# KiCad board retroslop.kicad_pcb (continued)
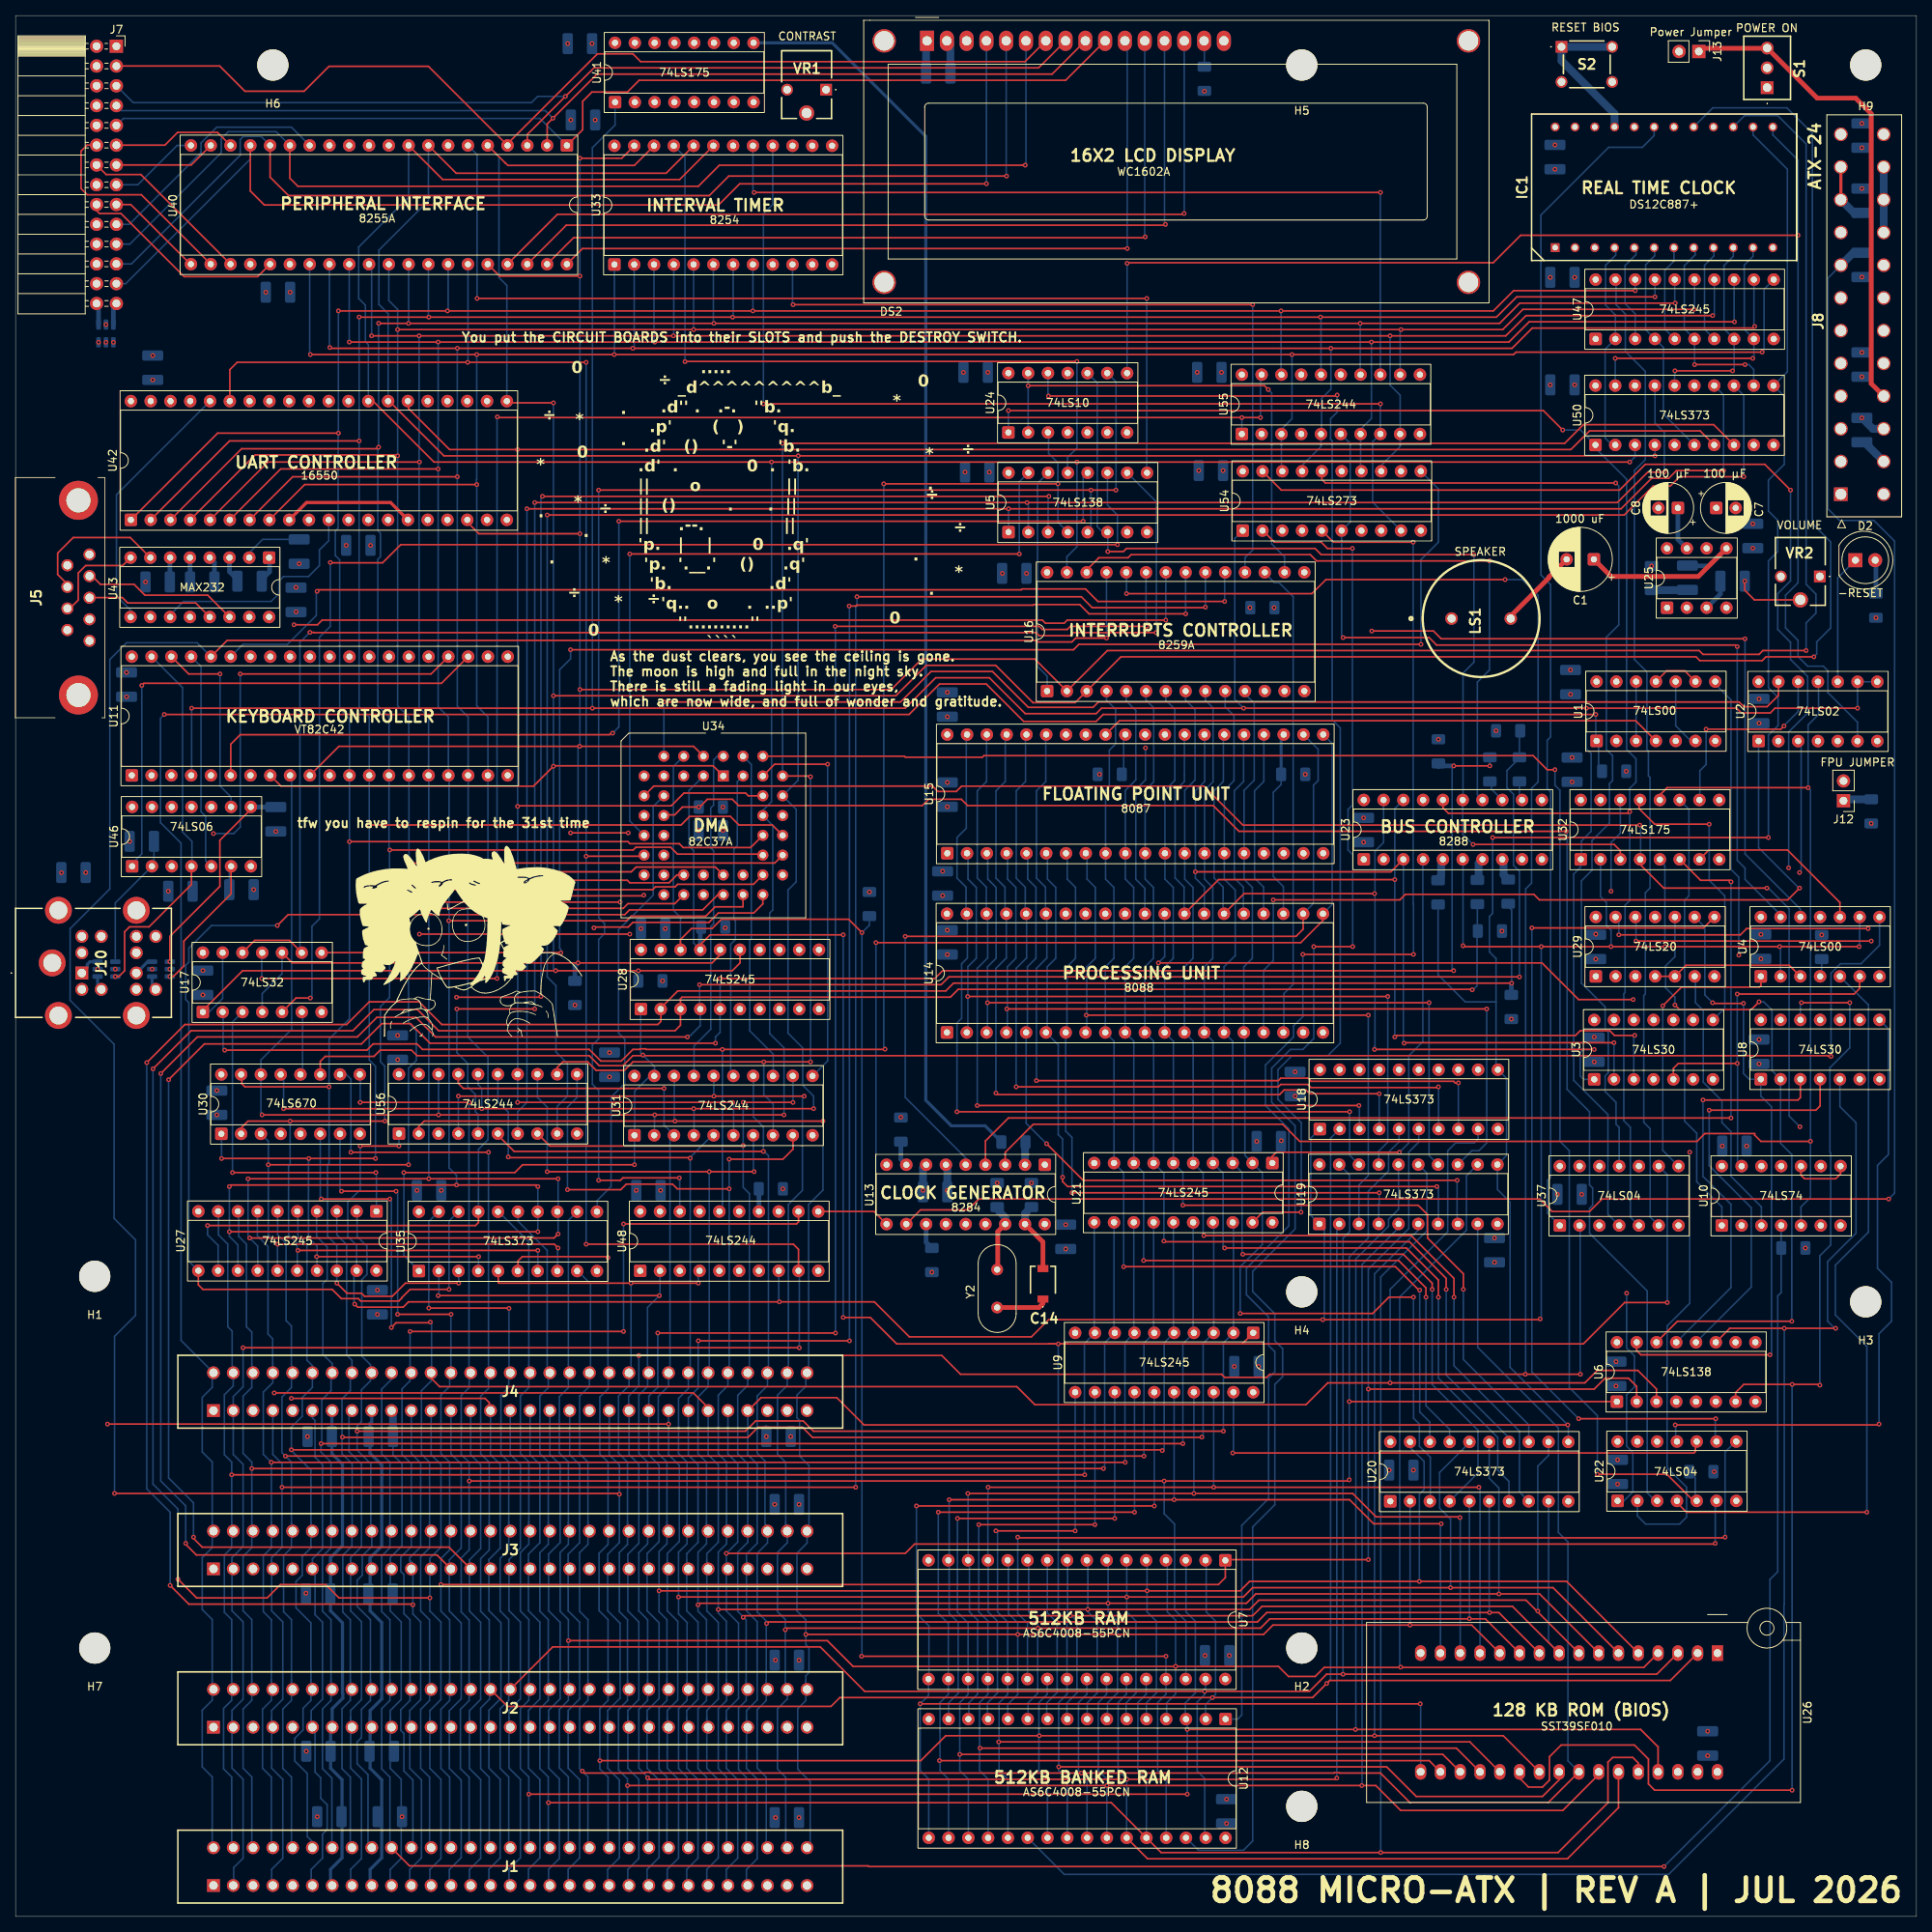
[diagram p0: board, top side]
## Routing (per net, layer and track width the routed paths; a pad name or vN(x,y) marks a point on that pad's centre or on a via; arc(x,y) is an arc through that point) (continued)
  Top w0.2: v1(141.44,176.09) 49.44,176.09 47.11,173.76 40.44,173.76 v1(40.4,173.8) ; v1(37.84,117.89) 36,117.89 U17.5
  Bottom w0.2: v1(141.44,176.09) 141.44,179.89 140.16,181.17 U5.11 ; v1(37.84,117.89) 38.04,118.09 38.04,127.09 39,128.05 39,164.2 40.4,165.6 v1(40.4,173.8)
/~{CS4}: length 181.7
  Top w0.2: v1(37.77,164.82) 38.3,164.82 38.33,164.8 131,164.8 131.4,164.4 135.4,164.4 135.8,164.8 v1(146.4,164.8) ; U17.9 35.16,125.29 30.7,125.29 U17.12
  Bottom w0.2: v1(37.77,164.82) 36.5,163.55 36.5,123.95 U17.9 ; U5.10 146.44,181.57 146.44,164.96 146.4,164.92 v1(146.4,164.8)
/~{CS5}: length 128.5
  Top w0.2: v1(145.2,207.69) v1(59.24,207.69)
  Bottom w0.2: U5.9 145.2,185.35 v1(145.2,207.69) ; v1(59.24,207.69) 59.24,226.16 U40.6
/~{CS6}: length 100.5
  In3.Cu w0.2: U42.14 51.04,182.49 62.24,182.49 64.24,184.49 79.44,184.49 84.24,179.69 134.2,179.69 134.91,180.4 140,180.4 140.7,179.7 140.7,179.69 U5.7
/~{CS7}: length 187.7
  Top w0.2: v1(142.68,212.2) 142.6,212.28 189.68,212.28 193.2,215.8 v1(228.8,215.8)
  Bottom w0.2: IC1.13 225.57,228.68 228.8,225.45 v1(228.8,215.8) 228.8,171.2 227.2,169.6 227.2,165.4 228.8,163.8 228.8,161.73 230.04,160.49 232.04,160.49 232.64,159.89 232.64,157.09 236.44,153.29 U2.6 ; v1(142.68,212.2) U24.8
/~{IOR}: length 374.3
  Top w0.2: J3.14 55.63,47.4 23.97,47.4 22.84,48.53 v1(22.84,48.69) ; v1(90.44,120.4) 118,120.4 119,121.4 v1(184.6,121.4) ; v1(184.6,147.69) v1(189.24,147.69) ; v1(89.84,112.09) 53.2,112.09 50.69,114.6 47,114.6 44.4,112 24.24,112 v1(19.64,107.4)
  Bottom w0.2: v1(90.44,120.4) 90.44,118.09 90.43,118.08 U28.5 90.43,113.48 89.84,112.89 v1(89.84,112.09) ; v1(184.6,121.4) 184.4,121.6 184.4,147.49 v1(184.6,147.69) ; 58.26,25.11 58.26,26.41 59.7,27.85 59.7,37.76 58.26,39.2 58.26,45.73 ; 58.26,25.53 58.26,19 59.7,17.56 59.7,7.45 58.26,6.01 58.26,4.13 J1.14 ; 58.26,45.34 58.26,45.77 59.7,47.21 59.7,57.99 58.42,59.26 J4.14 ; v1(189.24,147.69) R47.2 ; v1(19.64,107.4) 19.64,56.29 22.84,53.09 v1(22.84,48.69)
  Bottom w0.6: 182.64,147.59 182.74,147.69 v1(184.6,147.69)
/~{IOW}: length 380.2
  Top w0.2: v1(86.24,112.89) 53.91,112.89 51.4,115.4 46.38,115.4 43.87,112.89 23.33,112.89 v1(18.64,108.2) ; v1(193.04,120.6) 119.8,120.6 118.8,119.6 v1(87.8,119.6) ; v1(21.84,47.89) 21.84,47.76 23.2,46.4 54.09,46.4 J3.13
  Bottom w0.2: R25.2 193.04,152.1 R44.2 ; v1(86.24,112.89) 86.44,113.09 86.64,113.09 87.89,114.34 U28.4 87.8,116.56 v1(87.8,119.6) ; R44.2 193.04,148.69 191.44,147.09 191.44,144.89 192.28,144.05 192.28,134.92 193.04,134.16 v1(193.04,120.6) ; R44.2 193.14,148.89 ; 55.68,25.53 55.68,19 57.2,17.48 57.2,7.53 55.68,6.01 55.68,4.17 J1.13 ; J4.13 55.88,59.38 57.2,58.06 57.2,47.29 55.68,45.77 55.68,39.2 57.2,37.68 57.2,27.93 55.68,26.41 55.68,25.11 ; v1(21.84,47.89) 21.84,52.69 18.64,55.89 v1(18.64,108.2)
/~{MEMR}: length 356.2
  Top w0.2: v1(186.99,118.94) 186.93,119 121,119 120,118 85.55,118 85.35,117.8 U28.3 85.35,114.4 84.64,113.69 54.31,113.69 51.6,116.4 46,116.4 43.29,113.69 22.53,113.69 v1(17.64,108.8) ; v1(53.18,40.89) 41.51,40.89 39.8,42.6 34,42.6 32.29,40.89 23.24,40.89 v1(20.84,43.29)
  Bottom w0.2: v1(20.84,43.29) 20.84,52.29 17.64,55.49 v1(17.64,108.8) ; R46.2 187.64,126.7 187.85,126.49 187.6,126.24 187.6,119.45 187.09,118.94 v1(186.99,118.94) ; 53.18,45.35 53.18,45.98 54.6,47.4 54.6,58.01 53.34,59.28 J4.12 ; 53.18,45.74 v1(53.18,40.89) 53.18,39.21 54.6,37.79 54.6,27.84 53.18,26.42 53.18,25.12 ; J1.12 53.18,4.13 53.18,6.02 54.6,7.44 54.6,17.59 53.18,19.01 53.18,25.54
/~{MEMW}: length 360.8
  Top w0.2: v1(51,40) 50.91,40.09 22.24,40.09 v1(19.84,42.49) ; v1(16.84,109.6) 21.73,114.49 42.49,114.49 45.4,117.4 51.8,117.4 54.71,114.49 82.44,114.49 82.84,114.89 82.84,116.44 U28.2 82.81,116.61 85,118.8 119.4,118.8 120.4,119.8 v1(192.04,119.8)
  Bottom w0.2: 50.6,25.12 50.6,26.42 52,27.82 52,37.81 51,38.81 v1(51,40) 51,45.34 50.6,45.74 ; J1.11 50.6,4.17 50.6,6.02 52.1,7.52 52.1,17.51 50.6,19.01 50.6,25.54 ; v1(16.84,109.6) 16.84,54.89 19.84,51.89 v1(19.84,42.49) ; J4.11 50.8,59.4 52,58.2 52,47.44 50.6,46.04 50.6,45.35 ; v1(192.04,119.8) 192.04,129.19 191.24,129.99
  Bottom w0.6: R26.2 192,119.76 v1(192.04,119.8)
/~{XIOR}: length 614.4
  Top w0.2: U17.1 24.04,116.29 29.15,121.4 v1(69.33,121.4) 79.93,121.4 v1(79.94,121.39) 80.19,121.39 80.2,121.4 92,121.4 93,122.4 93,124.06 U28.15 ; U33.22 79.42,224.76 63.2,224.76 62.87,225.09 62.85,225.09 U40.5 ; U34.1 89.53,147.7 69.1,147.7 v1(69.04,147.64) 66.49,145.09 34.08,145.09 U11.8 ; v1(69.04,194.29) 63.28,194.29 U42.21 ; v1(230.84,161.69) 224.69,161.69 224.2,161.2 216.2,161.2 215.71,161.69 141.89,161.69 U16.3 136,155.8 130.6,155.8 125.8,160.6 116.91,160.6 113,156.69 v1(69.04,156.69)
  In3.Cu w0.2: U29.1 200.85,120.68 198.8,122.73 198.8,129.45 203.04,133.69 219,133.69 221.94,136.62 233.38,136.62 236.84,140.09 236.84,147.93 U2.5 232.46,152.31 232.46,161.14 231.91,161.69 v1(230.84,161.69)
  Bottom w0.2: v1(69.33,121.4) 69.04,121.69 v1(69.04,147.64) v1(69.04,194.29) 69.04,194.49 ; U17.13 26.58,117.83 24.84,116.09 U17.1 ; U40.5 62.05,225.89 62.05,210.37 63.06,209.36 U42.21 ; v1(79.94,121.39) R37.2 ; v1(230.84,161.69) 231.2,162.05 231.2,163.6 233,165.4 233,176.44 230.64,178.8 230.64,228.89 227.37,232.16 217.86,232.16 IC1.17
/~{XIOW}: length 577.5
  Top w0.2: v1(229.84,162.49) 224.29,162.49 223.8,162 216.6,162 216.11,162.49 140.15,162.49 U16.2 130.84,161.4 116.31,161.4 112.4,157.49 v1(72.44,157.49) ; v1(72.44,177.49) 59.47,177.49 57.69,179.27 ; U34.2 87.03,150.2 v1(72.4,150.2) 41.51,150.2 U11.10 ; U17.10 35.51,122.4 v1(72.2,122.4) 89.4,122.4 90.43,123.43 U28.16 ; U40.36 62.14,210.56 v1(72.44,210.56) ; U33.23 77.81,225.69 v1(72.44,225.69)
  In3.Cu w0.2: U29.2 208.19,123.49 217.04,123.49 221.38,127.82 221.38,132.97 223.93,135.53 235.47,135.53 239.64,139.69 239.64,148.09 239.44,148.09 237.6,149.93 237.6,161.13 236.24,162.49 v1(229.84,162.49)
  Bottom w0.2: U17.4 31.66,118.46 34.2,121 U17.10 ; v1(72.44,225.69) v1(72.44,210.56) 72.44,150.4 72.4,150.36 v1(72.4,150.2) 72.2,150 v1(72.2,122.4) 72.25,122.45 72.4,122.45 ; IC1.15 221.94,231.16 226.2,231.16 229.84,227.52 229.84,171 231.1,169.74 231.1,167.3 229.84,166.04 v1(229.84,162.49)
  Bottom w0.6: R38.2 71.8,122 v1(72.2,122.4)
/~{XMEMR}: length 358.9
  Top w0.2: 135.04,73.49 157.44,73.49 ; 135.04,73.49 v1(133.84,73.49) 132.64,73.49 ; 135.04,73.49 132.64,73.49 ; 157.44,73.49 201.24,73.49 206.55,78.8 v1(212.02,78.8) ; 157.44,73.49 157.45,73.49 U9.1 ; 132.64,73.49 113.11,73.49 109.71,76.89 v1(106.24,76.89) ; U28.17 87.89,124.74 89.15,126 v1(106.24,126) ; U26.24 198.14,17.54 196,15.4 179.8,15.4 176,19.2 v1(133.9,19.2)
  Bottom w0.2: U34.3 86.44,144.53 86.44,137.43 87.04,136.82 87.04,124.94 U28.17 ; v1(133.84,73.49) 133.84,39.09 134.97,37.96 U7.24 134.97,28.52 133.9,27.45 133.9,18.73 135,17.63 U12.24 ; v1(106.24,76.89) v1(106.24,126) ; v1(212.02,78.8) 212.02,95.21 U37.9
  Bottom w0.6: 87.9,126.4 87.89,126.39 U28.17 87.85,124.05
/~{XMEMW}: length 211.1
  Top w0.2: v1(108.6,33.4) v1(147.67,33.4) ; 147.84,9.95 U12.29 ; U28.18 85.35,125.4 86.75,126.8 89.4,126.8 90.6,128 106.93,128 v1(108.64,126.29)
  Bottom w0.2: v1(147.67,33.4) U7.29 147.67,28.52 146.6,27.45 146.6,18.73 147.7,17.63 U12.29 ; R40.2 109.6,127.25 v1(108.64,126.29) 108.64,33.44 v1(108.6,33.4) ; U28.18 85.35,128.15 85.4,128.2 84.44,129.16 84.44,147.61 U34.4
CLK: length 711
  In3.Cu w0.186: v1(98.5,93.4) 98.6,93.4 ; v1(98.5,93.4) 98.5,93.3 ; v1(98.5,93.4) 98.55,93.35 98.55,93.25 ; v1(98.5,93.4) 98.5,93.45 ; 73.5,4.1 73.5,6.35 74.9,7.75 74.9,17.63 73.5,19.03 73.5,25.69 ; J4.20 73.66,59.47 74.84,58.29 74.84,47.73 73.5,46.39 73.5,46.29 ; 73.5,46.29 73.5,45.34 ; 73.5,46.29 73.5,39.23 74.9,37.83 74.9,27.75 73.5,26.35 73.5,25.69 ; 73.5,25.69 73.5,24.72 ; 52.9,178.92 U42.16
  In3.Cu w0.2: 98.6,93.4 104.84,99.64 104.84,131.68 98.83,137.69 86.24,137.69 85.24,138.69 83.3,138.69 U34.14 ; J4.20 73.66,66.66 74.82,67.82 74.82,76.47 76.84,78.49 76.84,90.49 78.04,91.69 83.64,91.69 84.24,92.29 97.49,92.29 98.5,93.3 ; U11.3 22.81,149.29 63.04,149.29 75.44,136.89 75.44,112.49 74.44,111.49 74.44,107.29 75.44,106.29 75.44,95.69 77.04,94.09 83.91,94.09 84.2,93.8 86,93.8 86.4,94.2 94.2,94.2 95,93.4 v1(98.5,93.4) 100.95,93.4 107.44,99.89 107.44,139.29 109.24,141.09 170.89,141.09 172.18,139.8 174.02,139.8 175.22,141 216.38,141 U32.9 ; 52.61,178.92 77.64,153.89 77.64,133 76.4,131.76 76.4,113.2 78.04,111.56 78.04,107.29 77.64,106.89 77.64,96.49 78.84,95.29 80.64,95.29 81.84,96.49 90.4,96.49 90.89,96 92.4,96 93,96.6 95.35,96.6 98.5,93.45 ; 98.55,93.25 99.51,92.29 101.84,92.29 109.64,100.09 109.64,125.84 111.8,128 111.8,136.8 113.6,138.6 167.73,138.6 169.33,137 174.29,137 U23.2
CLK88: length 269.3
  In3.Cu w0.186: v1(113.64,102.6) 113.64,102.56
  In3.Cu w0.2: v1(113.64,102.6) 114.24,103.2 114.24,104.44 119.49,109.69 162.44,109.69 165.28,112.53 U14.19 ; v1(113.64,102.6) 112.84,103.4 112.84,131.29 113.84,132.29 161.13,132.29 U15.19 ; v1(113.64,102.6) 106.6,95.56 106.6,89.05 104.44,86.89 96.9,86.89 U48.6 ; U37.13 200.76,98.71 194.57,104.89 167.84,104.89 167.04,104.09 162.44,104.09 161.64,104.89 124.84,104.89 124.04,105.69 122.44,105.69 121.64,104.89 119.24,104.89 115.64,101.29 114.91,101.29 113.64,102.56
OSC: length 101.7
  In3.Cu w0.2: v1(117.62,82.7) 117.62,76.42 108.8,67.6 101.73,67.6 J4.30 103.4,60.59 103.4,48.8 99.21,44.61 J3.30 99.06,42.34 103.4,38 103.4,28.63 J2.30 99.06,18.94 103.6,14.4 103.6,8.35 99.22,3.97 J1.30
PCLK: length 163
  Bottom w0.4: 94.73,240.5 104.83,240.5 116.84,228.49 116.84,104.76 120.11,101.49 124.45,101.49 R48.2 126.54,99.14
Net-(C1-Pad1): length 26.2
  Top w0.6: C1.1 204.8,172 216,172 U25.5
  Bottom w0.6: 213.8,173.36 217.36,173.36 U25.5
Net-(C2-Pad2): length 4
  Bottom w1: 210.4,170.25 214.38,170.25 214.4,170.28
Net-(C14-COLD(ROTOR)_TERMINAL): length 8.7
  Top w0.6: U13.17 131.88,86.57 C14.2
  Top w1: 129.48,88.97 U13.17
  Bottom w1: 129.48,88.97 U13.17 129.58,90.23 129.84,90.49
Net-(C14-HOT-END_TERMINAL): length 6.7
  Top w0.6: C14.1 131.88,78.68 131.36,78.16 Y2.2
Net-(D2-A): length 4.5
  Bottom w0.6: 238.84,173.95 238.7,174.09 238.8,174 R36.1
Net-(D2-K): length 16.5
  Bottom w0.2: D2.1 233.9,171.82 U2.10
Net-(DS2-LED(+)): length 3.4
  Bottom w0.2: 152.56,240.85 152.6,240.81 R41.2
Net-(DS2-VO): length 24.4
  In3.Cu w0.2: DS2.3 112.81,231.49 VR1.2
Net-(IC1-N.C._(~{RCLR)}): length 19.6
  Bottom w1: IC1.21 205.25,231.4 198.44,238.21 S2.1 S2.2
Net-(IC1-~{IRQ}): length 151.3
  Bottom w0.2: U37.1 196.64,90.27 196.64,94.49 197.04,94.89 197.04,144.36 196.6,144.8 196.6,150.96 197.04,151.4 197.04,170.96 195.8,172.2 195.8,218.4 204.49,227.09 208.82,227.09 210.33,228.6 IC1.19
Net-(J7-Pin_27): length 2.9
  Bottom w0.6: U44.6 12.55,206.66 J7.27
Net-(J7-Pin_28): length 2.8
  Bottom w0.6: J7.28 10.65,206.8 U44.4
Net-(J10-PadA1): length 3.6
  Bottom w0.2: 8.5,121.8 J10.A1
  Bottom w0.4: J10.A1 9.2,121.8 9.2,122.2 9.55,122.55 10.52,122.55
Net-(J10-PadA6): length 1.8
  Bottom w0.4: J10.A6 10.52,119.47 10.52,120.65
Net-(J10-PadB1): length 3.1
  Bottom w0.4: U38.6 16.95,122.55 J10.B1 15.85,121.45
Net-(J10-PadB6): length 1.8
  Bottom w0.4: U38.4 17.52,119.47 J10.B6
Net-(J13-Pin_1): length 62.7
  Top w0.6: J13.1 216.48,239.8 224.81,239.8 S1.3 231.27,233.4 236.2,233.4 238.2,231.4 238.2,196.76 J8.16
Net-(LS1-+): length 10.6
  Top w0.6: LS1.2 191.93,166.93 196.8,171.8 196.8,171.9 C1.2
Net-(R31-Pad2): length 2.3
  Bottom w0.2: U4.4 231.84,120.87 R31.2
Net-(U1-Pad8): length 130.6
  In3.Cu w0.2: v1(221.2,123.4) 221.2,120.16 219.6,118.56 219.6,106.96 226.6,99.96 228.4,99.96 230.4,97.96 230.4,93.8 227.8,91.2 218.6,91.2 207.4,80 v1(206.8,80)
  Bottom w0.2: U1.8 218.18,158.18 220.2,156.16 220.2,134.4 221.2,133.4 v1(221.2,123.4) ; v1(206.8,80) 206.8,72.96 207.8,71.96 207.8,67.96 206.8,66.96 206.8,60.36 207.6,59.56 207.6,54.5 206.44,53.34 U22.1
Net-(U1-Pad10): length 9
  Bottom w0.2: U1.6 215.04,150.89 213.1,152.83 U1.10
Net-(U1-Pad11): length 15.9
  Top w0.2: U1.9 214.26,159.89 211.94,159.89 U1.11
  In3.Cu w0.2: U1.2 205.48,153.43 U1.11
Net-(U2-Pad2): length 162.1
  In3.Cu w0.2: v1(214.9,98.1) 214.8,98.2 208.76,98.2 197.6,109.36 197.6,130.2 202.2,134.8 202.2,136.8 203,137.6 232.64,137.6 236,140.96 236,146.56 234.6,147.96 229.19,147.96 U2.2
  Bottom w0.2: U22.2 208.18,51.42 209.24,50.36 213.6,50.36 214.5,51.26 214.5,55.1 212,57.6 212,75.8 214.9,78.7 v1(214.9,98.1)
Net-(U2-Pad3): length 119.2
  In3.Cu w0.2: U22.12 212,62.24 212,76.4 218.2,82.6 234.8,82.6 238.4,86.2 238.4,99 231.8,105.6 228.2,105.6 228,105.8 228,117.2 230.2,119.4 230.2,132.8 v1(229,134)
  Bottom w0.2: U2.3 229.2,150.49 229.2,134.2 v1(229,134)
Net-(U6-O0): length 81.9
  Top w0.2: v1(221.8,117.2) 217.93,117.2 v1(217.84,117.29) ; U6.15 208.09,72.64 208.64,72.09 v1(225.2,72.09)
  Bottom w0.2: v1(221.8,117.2) 221.8,108.2 222.53,107.47 U8.1 224.02,105.31 225.4,103.93 225.4,72.29 v1(225.2,72.09) ; U29.9 216.84,127 216.84,118.29 v1(217.84,117.29)
Net-(U6-O1): length 85.3
  Top w0.2: U6.14 213.33,76.4 v1(228,76.4) ; v1(213,117) 213.6,116.4 222.8,116.4 v1(223.8,117.4)
  Bottom w0.2: v1(228,76.4) 228,97.8 226.56,99.24 U8.2 225.46,108.56 225.46,116.34 224.4,117.4 v1(223.8,117.4) ; v1(213,117) 213,118 211.8,119.2 211.8,122 213,123.2 U29.10
Net-(U6-O2): length 112.1
  Top w0.2: U8.3 229.1,105.1 228.8,104.8 v1(216.6,104.8) ; v1(238.2,125.2) v1(208,125.2)
  In3.Cu w0.2: U8.3 229.1,110.1 232.4,113.4 240,113.4 241,114.4 241,122.4 v1(238.2,125.2)
  Bottom w0.2: v1(216.6,104.8) 216.6,95 220.2,91.4 220.2,80.73 U6.13 ; v1(208,125.2) 208,128.22 U29.12
Net-(U6-O3): length 117
  Top w0.2: U8.4 231.64,104.04 231.09,103.49 v1(217.4,103.49) ; v1(237.8,126.8) 222.2,126.8 221.4,126 v1(205.8,126)
  In3.Cu w0.2: U8.4 231.64,110.34 233.1,111.8 240.2,111.8 241.8,113.4 241.8,122.8 v1(237.8,126.8)
  Bottom w0.2: v1(217.4,103.49) 217.4,96.37 222.8,90.97 222.8,80.79 U6.12 ; U29.13 205.8,127.88 v1(205.8,126)
Net-(U10A-C): length 35.5
  Bottom w0.2: U10.3 224.1,91.09 220.2,94.99 220.2,100.73 219.04,101.89 219.04,104.69 216.64,107.09 216.64,116.29 215.64,117.29 215.64,120.57 U29.6
Net-(U10B-D): length 68.7
  In3.Cu w0.2: U10.12 223.22,96.31 221.74,97.79 221.64,97.69 217.04,97.69 215.53,99.2 209.4,99.2 203.94,104.66 203.94,121.46 203.31,122.09 201.24,122.09 199.6,123.73 199.6,127.85 203.35,131.6 v1(204.8,131.6)
  Bottom w0.2: 205.99,143.12 205.99,139.04 204.8,137.85 v1(204.8,131.6)
Net-(U10B-~{Q}): length 7.7
  Top w0.2: U10.10 229.18,95.15 229.64,94.69 233.64,94.69 234.26,95.31 U10.8
Net-(U10B-~{R}): length 49.8
  Top w0.2: v1(221,109.49) 213.44,109.49 212.8,108.85 U3.5 ; v1(221,118.4) 236,118.4 236.72,119.12 U4.6
  Bottom w0.2: U10.13 221.04,96.83 221.04,109.45 v1(221,109.49) v1(221,118.4)
Net-(U11-P22): length 67.2
  Top w0.2: U11.23 54.67,158.29 16.47,158.29 v1(16.2,158.02)
  Bottom w0.2: v1(16.2,158.02) 16.2,136.4 14.96,135.16 U46.1
Net-(U11-P23): length 58.2
  Top w0.2: U11.24 53.33,159.49 v1(28.84,159.49)
  In3.Cu w0.2: U46.3 24.24,139 v1(25.4,139)
  Bottom w0.2: v1(28.84,159.49) 28.84,139.84 28,139 v1(25.4,139)
Net-(U11-P26): length 28
  Bottom w0.2: U46.5 24.4,135.52 24.4,141.2 23.8,141.8 23.8,160.44 U11.37
Net-(U11-P27): length 24.8
  Top w0.2: U11.38 22.22,159.49 v1(26.24,159.49)
  Bottom w0.2: U46.9 27.66,143.69 26.24,145.11 v1(26.24,159.49)
Net-(U13-CLK): length 3.3
  Top w1: 114.28,96.55 U13.8
  Bottom w0.6: R50.1 113.64,97.19 U13.8
Net-(U13-OSC): length 3.4
  Bottom w0.6: R49.1 116.88,86.54 U13.12
Net-(U13-PCLK): length 2.6
  Top w1: 129.68,96.59 U13.2
  Bottom w1: 129.64,98.89 129.58,98.83 U13.2
Net-(U13-READY): length 110.5
  Top w0.2: v1(114.2,125.8) 164.35,125.8 165.28,126.73 U14.22
  Bottom w0.2: v1(114.2,125.8) 114.2,105.13 121.96,97.37 U13.5 ; U15.22 167.2,149.82 167.2,145.8 166.6,145.2 166.6,130.03 U14.22
Net-(U13-X2): length 8.7
  Top w0.6: U13.16 126.08,87.91 126.08,83.12 Y2.1
  Top w1: 126.88,89.03 U13.16
  Bottom w1: 126.88,89.03 U13.16 127.04,89.69 126.24,90.49
Net-(U14-INTR): length 61.4
  Bottom w0.2: U14.18 162.8,113.53 162.8,118.45 164,119.65 164,169.4 162.2,171.2 161.6,171.2 160.35,172.45 U16.17
Net-(U14-~{RQ}/~{GT1}): length 30.9
  In3.Cu w0.2: 142.46,151.71 144.28,149.89 144.84,149.89 144.95,150 v1(145.04,150)
  Bottom w0.2: U14.30 144.96,131.97 143.8,133.13 143.8,144.65 145.04,145.89 v1(145.04,150) ; 142.24,146.6 142.24,151.5 142.46,151.71
Net-(U14-~{TEST}): length 24.3
  Bottom w0.2: U14.23 162.74,132.19 161.44,133.49 161.44,144.29 162.45,145.3 R33.2 ; U15.23 162.64,151.57
  Bottom w0.4: U15.23 162.45,151.38 R33.2
Net-(U16-~{INTA}): length 84.5
  Top w0.2: v1(189.2,174) 167,174 166.2,174.8 143.2,174.8 142.8,174.4 139.05,174.4 137.49,172.84
  Bottom w0.2: U23.14 187.64,143.97 187.64,158.44 189.2,160 v1(189.2,174)
Net-(U16-~{SP}/~{EN}): length 68.1
  Top w0.2: v1(129.98,196.49) 160.31,196.49 v1(160.8,196)
  In3.Cu w0.2: U16.16 162.89,169.34 v1(161.55,168)
  Bottom w0.2: U16.16 162.89,174.53 161.24,176.18 161.24,195.56 v1(160.8,196) ; U24.2 v1(129.98,196.49) U24.13
Net-(U21-A->B): length 56.3
  Top w0.2: v1(177.64,98.09) 161.84,98.09 161.32,97.57 U21.1
  Bottom w0.2: v1(177.64,98.09) 178.84,99.29 178.84,110.49 180.64,112.29 180.64,135.65 U23.4
Net-(U21-CE): length 159.9
  Top w0.2: v1(132.58,195.17) 169.52,195.17 v1(169.64,195.29) ; U21.19 160.09,90.4 v1(165,90.4)
  Bottom w0.2: U24.12 132.52,195.23 v1(132.58,195.17) ; v1(169.64,195.29) 169.64,193.09 168.8,192.25 168.8,189.6 169,189.4 169,153.6 170.04,152.56 170.04,112.09 168.44,110.49 163.84,110.49 162.04,108.69 162.04,104.89 165.04,101.89 165.04,90.44 v1(165,90.4)
Net-(U22-Pad9): length 110.1
  Top w0.2: v1(218.24,63.89) v1(200.64,63.89) ; U29.8 216.68,126.89 v1(194.64,126.89)
  Bottom w0.2: 218.18,60.89 218.18,63.83 v1(218.24,63.89) ; v1(200.64,63.89) 194.64,69.89 v1(194.64,126.89)
Net-(U22-Pad11): length 82.8
  Top w0.2: v1(213.04,63.09) 239.09,63.09 v1(239.2,63.2)
  Bottom w0.2: U8.8 240.4,113.94 240.4,97.8 239,96.4 239,83.2 240.8,81.4 240.8,76.4 239.2,74.8 v1(239.2,63.2) ; 213.1,60.89 213.1,63.03 v1(213.04,63.09)
Net-(U23-ALE): length 3
  Bottom w1: U23.5 183,135.47 183,133.6 182.4,133
Net-(U23-~{AIOWC}): length 2.5
  Bottom w0.2: U23.12 193.04,143.65 R44.1
Net-(U23-~{AMWC}): length 3.3
  Bottom w1: U23.8 191,135.53 191,133.7 R45.1 191.43,133.1 191.29,133.24
Net-(U23-~{IORC}): length 2.8
  Bottom w0.2: 189.44,145.49 189.44,144.71 U23.13
Net-(U23-~{MRDC}): length 2.9
  Bottom w1: R46.1 187.8,133.2 187.8,135.19 U23.7
Net-(U24-Pad11): length 9.7
  In3.Cu w0.2: U24.11 135.06,195.57 U24.6
Net-(U25-+): length 4.1
  Bottom w0.6: C86.2 218.84,169.76 U25.3
Net-(U25-BYPASS): length 5.7
  Bottom w0.6: C8.1 213.38,176.76 U25.7
Net-(U27-A->B): length 44.5
  Top w0.2: v1(27.84,95.49) v1(46.24,95.49)
  Bottom w0.2: v1(46.24,95.49) 46.32,95.41 U27.1 ; U17.3 27.84,114.81 v1(27.84,95.49)
Net-(U29-Pad4): length 19.8
  Top w0.2: U4.3 227.68,122.09 214.41,122.09 U29.5 U29.4
Net-(U30-~{Ew}): length 8.2
  Bottom w0.2: U17.6 36.84,115.99 36.84,108.49 36.57,108.22 U30.12
Net-(U32-D3): length 37.7
  Top w0.2: v1(217.4,140.2) 210.4,140.2 208.4,142.2 208.4,142.91 208,143.31
  Bottom w0.2: U3.8 219.4,116.59 219.4,131 217.4,133 v1(217.4,140.2)
Net-(U33-CLK0): length 43.6
  In3.Cu w0.4: 88.4,229.69 97.33,229.69 U33.15 99.73,215.13 97.19,212.59 U33.9 ; U33.18 89.71,229.69 82.64,229.69 80.99,231.34 80.99,231.38 U41.2
Net-(U34-ADSTB): length 57.5
  Bottom w0.2: U34.10 81.84,142.47 81.84,131.09 77.4,126.65 77.4,113.4 78.2,112.6 78.2,106.93 76.44,105.16 76.44,93.69 74.66,91.91 74.66,90.51
Net-(U34-HRQ): length 210.2
  Top w0.2: U34.12 83.31,141.4 84.6,141.4 85.6,142.4 v1(87.7,142.4) 87.8,142.4 88.8,143.4 92,143.4 92.8,142.6 116.4,142.6 117.2,143.4 121.4,143.4 122.2,142.6 153.73,142.6 157.04,139.29 v1(199.04,139.29)
  Bottom w0.2: 210.56,53.27 209.44,54.39 209.44,80.29 202.04,87.69 202.04,90.89 202.44,91.29 202.44,93.49 202.04,93.89 202.04,103.29 199.16,106.17 199.16,139.21 199.08,139.29 v1(199.04,139.29)
Net-(U34-~{EOP}): length 213.5
  Top w0.2: 215.64,53.27 215.46,53.27 211.97,56.76 v1(203.04,56.76) ; U34.40 114.1,148.93 114.23,148.8 124.1,148.8 124.3,149 194.8,149 196.6,147.2 v1(197.6,147.2)
  Bottom w0.2: R35.2 215.6,56.33 215.6,53.31 215.64,53.27 ; v1(203.04,56.76) 203.04,64.29 199.44,67.89 199.44,98.29 198.24,99.49 198.24,144.56 197.6,145.2 v1(197.6,147.2)
Net-(U37-Pad8): length 36.3
  Top w0.2: v1(211.44,116.89) 213.84,119.29 223.84,119.29 224.04,119.49 224.04,120.65 U4.1
  Bottom w0.2: v1(211.44,116.89) 211.44,98.33 U37.8
Net-(U41-D0): length 2.5
  In3.Cu w1: U41.4 U41.3
Net-(U42-RCLK): length 17.1
  Top w0.4: U42.15 48.14,181.49 37.34,181.49 U42.9
Net-(U42-SIN): length 20.9
  In3.Cu w0.2: 22.68,167.38 25.3,170 30.1,170 35.44,175.34 35.44,177.05 U42.10
Net-(U42-SOUT): length 28.7
  Bottom w0.2: 20.14,167.38 21.56,168.8 32.8,168.8 33.8,169.8 33.8,171.4 34.4,172 37.6,172 39,173.4 39,175.4 40.2,176.6 U42.11
Net-(U42-~{CTS}): length 33
  Bottom w0.2: U42.36 12.95,182.5 12.95,169.49 15.06,167.38
Net-(U42-~{RTS}): length 37.3
  In3.Cu w0.2: U42.32 32.9,192.29 29.24,192.29 18.64,181.69 18.64,171.84 18.2,171.4 18.2,169 17.25,168.05 17.25,166.78
Net-(U43-C1+): length 3.3
  Bottom w0.6: U43.1 32.6,174.36 32.6,172.6 31.6,171.6
Net-(U43-C1-): length 3.2
  Bottom w0.6: 28.48,171.6 27.46,172.62 U43.3
Net-(U43-C2+): length 3.1
  Bottom w0.6: 25.52,171.6 25.52,173.81 U43.4
Net-(U43-C2-): length 2.8
  Bottom w0.6: 22.4,171.6 22.4,174.4 U43.5
Net-(U43-VS+): length 6.8
  Bottom w0.2: 36,176.76 31.71,176.76 29.95,175
Net-(U43-VS-): length 3.3
  Bottom w0.2: 19.44,172.12 19.76,171.8 19.8,171.8
  Bottom w0.6: 19.8,171.6 19.8,174.38 U43.6
Net-(U48-O2a): length 2.9
  Bottom w0.6: R51.1 95.42,93.38 U48.14
Net-(U54-Cp): length 203.8
  Top w0.2: U17.8 69.98,123.71 v1(70,123.69) ; v1(180.4,163.29) 136.49,163.29 135.8,162.6 v1(71.24,162.6)
  Bottom w0.2: v1(71.24,162.6) 71.24,161.44 69.84,160.04 69.84,124.29 70,124.13 v1(70,123.69) ; U54.11 182.64,183.25 182.64,176.4 180.4,174.16 v1(180.4,163.29)
Net-(U55-OEa): length 211.3
  Top w0.2: v1(159.8,192.4) v1(157.41,192.4) 61.93,192.4 v1(61.84,192.49) ; v1(31.6,120.4) v1(61.8,120.4)
  Bottom w0.2: v1(159.8,192.4) 159.8,197.76 U55.19 ; U17.11 31.6,123.65 v1(31.6,120.4) ; v1(157.41,192.4) U55.1 ; v1(61.84,192.49) 61.8,192.45 v1(61.8,120.4)
Net-(VR2-CCW): length 51.3
  In3.Cu w0.2: VR2.1 235.6,168 235.6,165.6 240.8,160.4 240.8,137.45 U4.11
Net-(VR2-WIPER): length 8.8
  Top w0.2: v1(221.96,171.4) 221.96,170.24 223.2,169 VR2.2
unconnected-(J8-+5VSB-Pad9): length 0.5
  Bottom w0.6: 234.26,216.01 234.14,215.89
  Bottom w1: 234.54,216.4 J8.9

## Copper pours and planes (outline as drawn; the poured copper is in the pictures)
+5V on In2.Cu: 242.4,175.8 242.4,6.57 239,2.4 107.2,2.4 106.74,2.37 106.54,1.97 106.16,1.32 0.34,1.32 0.29,243.8 243.2,243.8 243.19,180.92
GND on In1.Cu, In4.Cu: 0.2,0.8 0.2,243.8 243.2,243.8 243.2,0.8

## Text on the board
User.Drawings: RTC
F.Fab: DS12C887+
F.Silkscreen: CONTRAST | SPEAKER | RESET BIOS | VOLUME | -RESET | 74LS06 | MAX232 | 74LS32 | 74LS245 | 74LS670 | 16550 | VT82C42 | 8255A | 74LS244 | 74LS373 | 74LS175 | 82C37A | 8254 | 8284 | 74LS10 | AS6C4008-55PCN | 74LS138 | 8087 | 8088 | WC1602A | 8259A | 74LS273 | 8288 | SST39SF010 | 1000 uF | 74LS04 | 74LS30 | 74LS00 | 74LS20 | DS12C887+ | 100 μF | POWER ON | 74LS74 | 74LS02 | tfw you have to respin for the 31st time | You put the CIRCUIT BOARDS into their SLOTS and push the DESTROY SWITCH. | As the dust clears, you see the ceiling is gone. / The moon is high and full in the night sky. / There is still a fading light in our eyes, / which are now wide, and full of wonder and gratitude. | KEYBOARD CONTROLLER | UART CONTROLLER | PERIPHERAL INTERFACE | INTERVAL TIMER | DMA | CLOCK GENERATOR | 512KB BANKED RAM | 512KB RAM | FLOATING POINT UNIT | PROCESSING UNIT | INTERRUPTS CONTROLLER | 16X2 LCD DISPLAY | BUS CONTROLLER | 128 KB ROM (BIOS) | REAL TIME CLOCK | ATX-24 | 8088 MICRO-ATX | REV A | JUL 2026 | * | . | ÷ | 0 | ..... / _d^^^^^^^^^b_ / .d'' .   .-.   ''b. / .p'       (   )     'q. / .d'   ()    '-'       'b. / .d'  .            0  .  'b. / ||       o               || / ||  ()         .      .  || / ||     .--.              || / 'p.   |    |       0    .q' / 'p.  '.__.'    ()     .q' / 'b.                 .d' / 'q..   o     .  ..p' / ''..........'' / ````
User.1: Mounting Hole Dimensions / 10.16, 34.29 | 10.16 , 80.01 / 33.02 , 237.49 / 165.1, 13.97 | 165.1, 34.29 | 165.1 , 80.01 | 165.1 , 237.49 / 237.49, 80.01 | 237.49, 237.49 / ISA BUS 1 : 25.4, 3.81 / ISA BUS 2 : 25.4, 24.43 / ISA BUS 3 : 25.4, 45.05 / ISA BUS 4 : 25.4, 65.67
